# KiCad board backplane.kicad_pcb (continued)
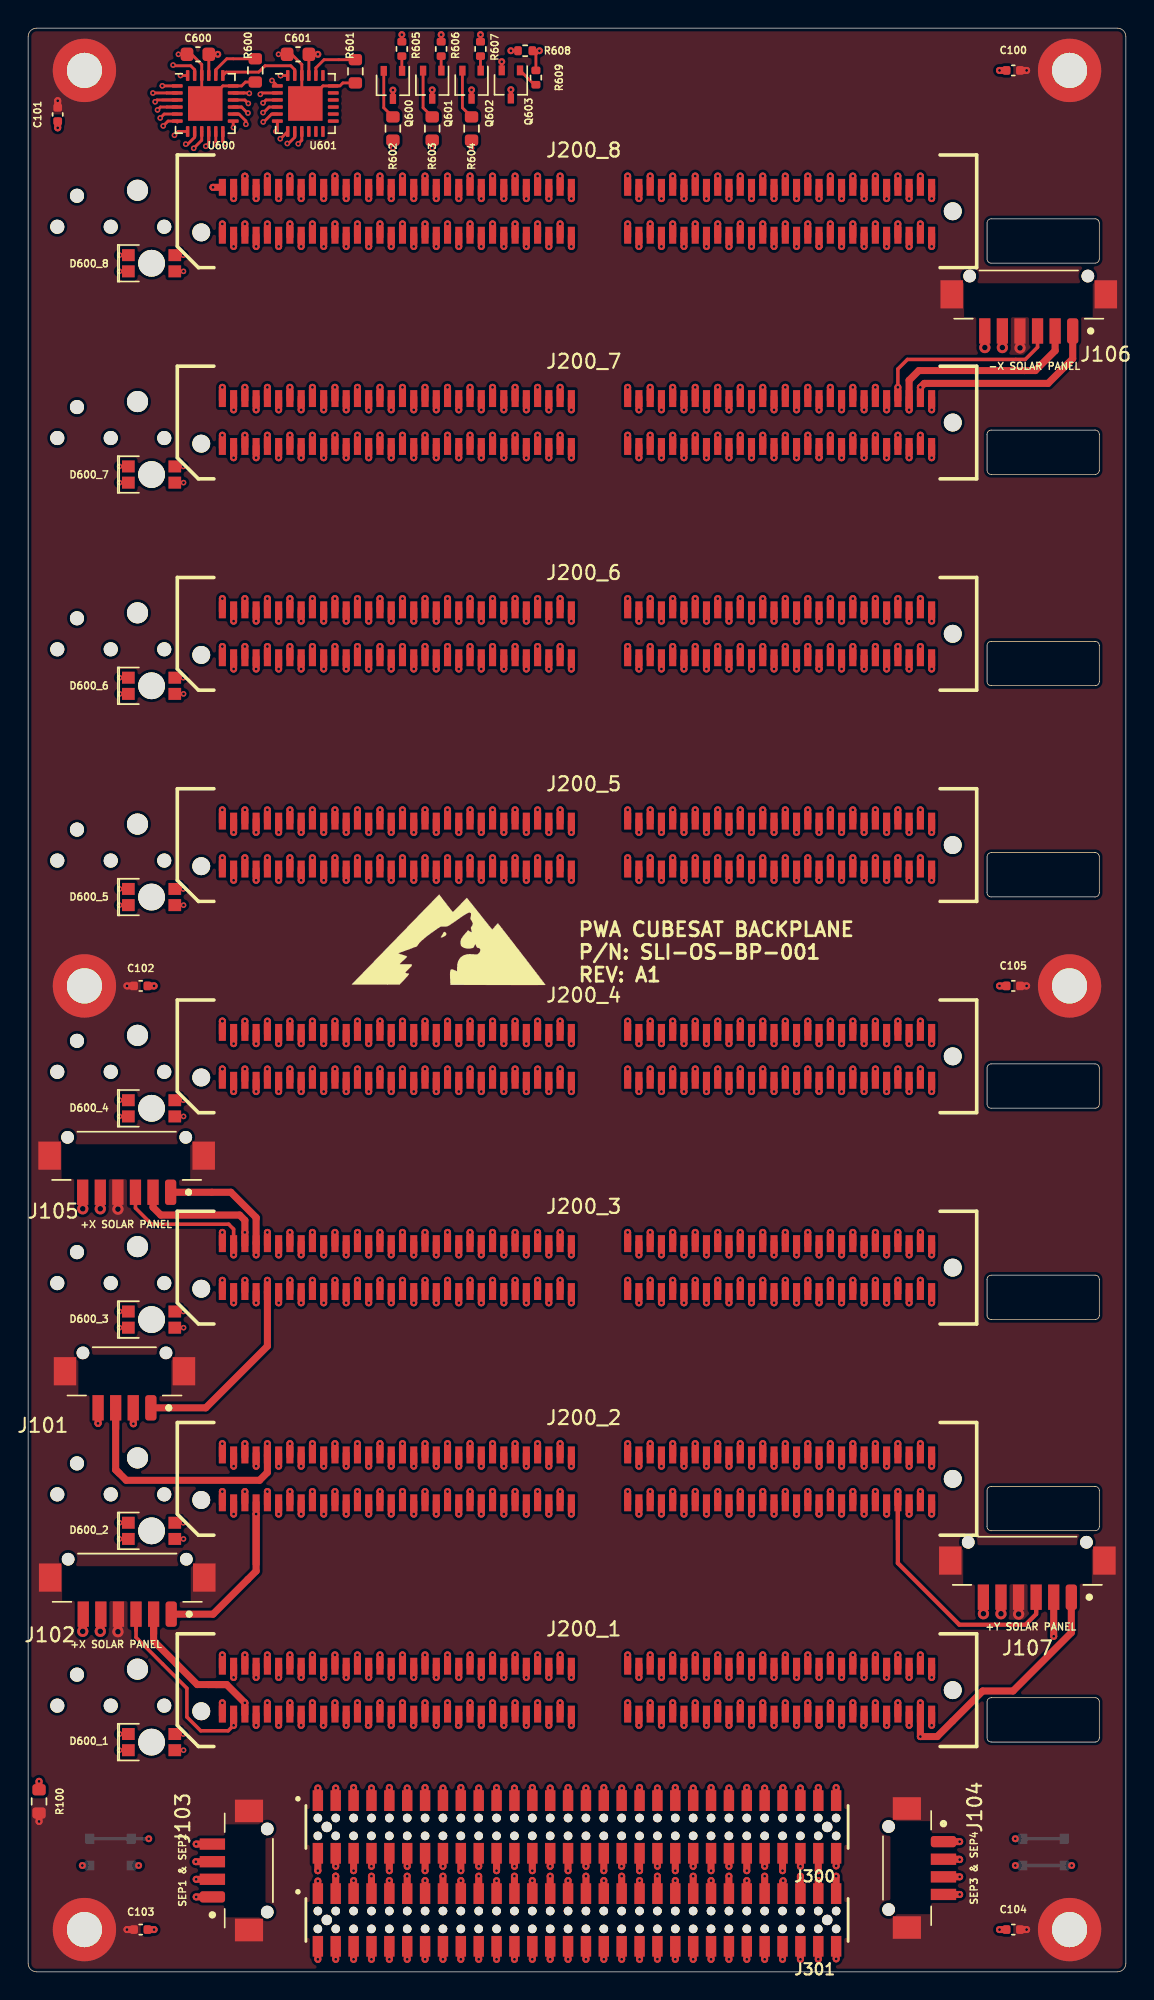
[diagram p0: board, top side]
## Nets (continued)
/H2-43: J200_1.95 J200_2.95 J200_3.95 J200_4.95 J200_5.95 J200_6.95 J200_7.95 J200_8.95 J301.47
/H2-44: J200_1.96 J200_2.96 J200_3.96 J200_4.96 J200_5.96 J200_6.96 J200_7.96 J200_8.96 J301.48
/H2-45: J200_1.99 J200_2.99 J200_3.99 J200_4.99 J200_5.99 J200_6.99 J200_7.99 J200_8.99 J301.49
/H2-46: J200_1.100 J200_2.100 J200_3.100 J200_4.100 J200_5.100 J200_6.100 J200_7.100 J200_8.100 J301.50
/H2-49: J200_1.107 J200_2.107 J200_3.107 J200_4.107 J200_5.107 J200_6.107 J200_7.107 J200_8.107 J301.53
/H2-50: J200_1.108 J200_2.108 J200_3.108 J200_4.108 J200_5.108 J200_6.108 J200_7.108 J200_8.108 J301.54
/H2-51: J200_1.111 J200_2.111 J200_3.111 J200_4.111 J200_5.111 J200_6.111 J200_7.111 J200_8.111 J301.55
/H2-52: J200_1.112 J200_2.112 J200_3.112 J200_4.112 J200_5.112 J200_6.112 J200_7.112 J200_8.112 J301.56
/LED Driver/B1: D600_1.3 U600.2
/LED Driver/B2: D600_2.3 U600.5
/LED Driver/B3: D600_3.3 U600.8
/LED Driver/B4: D600_4.3 U600.11
/LED Driver/B5: D600_5.3 U600.14
/LED Driver/B6: D600_6.3 U600.17
/LED Driver/B7: D600_7.3 U601.4
/LED Driver/B8: D600_8.3 U601.7
/LED Driver/G1: D600_1.2 U600.3
/LED Driver/G2: D600_2.2 U600.6
/LED Driver/G3: D600_3.2 U600.9
/LED Driver/G4: D600_4.2 U600.12
/LED Driver/G5: D600_5.2 U600.15
/LED Driver/G6: D600_6.2 U601.2
/LED Driver/G7: D600_7.2 U601.5
/LED Driver/G8: D600_8.2 U601.8
/LED Driver/LATCH_LED: Q602.3 U600.1 U601.1
/LED Driver/R1: D600_1.1 U600.4
/LED Driver/R2: D600_2.1 U600.7
/LED Driver/R3: D600_3.1 U600.10
/LED Driver/R4: D600_4.1 U600.13
/LED Driver/R5: D600_5.1 U600.16
/LED Driver/R6: D600_6.1 U601.3
/LED Driver/R7: D600_7.1 U601.6
/LED Driver/R8: D600_8.1 U601.9
/LED Driver/SCLK_LED: Q600.3 U600.24 U601.24
/LED Driver/SIN_LED: Q601.3 U600.23
/LED Driver/SOUT_LED_1: U600.19 U601.23
/LED Driver/~{enable}: Q603.3 R605.1 R606.1 R607.1 R608.2
/RBF: J200_1.37 J200_2.37 J200_3.37 J200_4.37 J200_5.37 J200_6.37 J200_7.37 J200_8.37 J300.19
/SELF_TEST: J200_1.101 J200_2.101 J200_3.101 J200_4.101 J200_5.101 J200_6.101 J200_7.101 J200_8.101 J300.51 SW101.2
/SEP1: J103.1 J200_1.1 J200_2.1 J200_3.1 J200_4.1 J200_5.1 J200_6.1 J200_7.1 J200_8.1 J300.1
/SEP2: J103.3 J200_1.2 J200_2.2 J200_3.2 J200_4.2 J200_5.2 J200_6.2 J200_7.2 J200_8.2 J300.2
/SEP3: J104.1 J200_1.119 J200_2.119 J200_3.119 J200_4.119 J200_5.119 J200_6.119 J200_7.119 J200_8.119 J301.59
/SEP4: J104.3 J200_1.120 J200_2.120 J200_3.120 J200_4.120 J200_5.120 J200_6.120 J200_7.120 J200_8.120 J301.60
/USER_1: J200_1.102 J200_2.102 J200_3.102 J200_4.102 J200_5.102 J200_6.102 J200_7.102 J200_8.102 J300.52 R604.2
/USER_2: J200_1.105 J200_2.105 J200_3.105 J200_4.105 J200_5.105 J200_6.105 J200_7.105 J200_8.105 J300.53
/USER_3: J200_1.106 J200_2.106 J200_3.106 J200_4.106 J200_5.106 J200_6.106 J200_7.106 J200_8.106 J300.54
CHS: C100.2 C101.2 C102.2 C103.2 C104.2 C105.2 J101.5 J102.4 J102.7 J103.5 J104.5 J105.4 J105.7 J106.4 J106.7 J107.4 J107.7 MH100.1 MH101.1 MH102.1 MH103.1 MH104.1 MH105.1 R100.2
Net-(Q600-Pad1): Q600.1 R605.2
Net-(Q600-Pad2): Q600.2 R602.1
Net-(Q601-Pad1): Q601.1 R606.2
Net-(Q601-Pad2): Q601.2 R603.1
Net-(Q602-Pad1): Q602.1 R607.2
Net-(Q602-Pad2): Q602.2 R604.1
Net-(Q603-Pad1): Q603.1 R609.2
Net-(R600-Pad2): R600.2 U600.20
Net-(R601-Pad2): R601.2 U601.20
Net-(U601-Pad10): U601.10
Net-(U601-Pad11): U601.11
Net-(U601-Pad12): U601.12
Net-(U601-Pad13): U601.13
Net-(U601-Pad14): U601.14
Net-(U601-Pad15): U601.15
Net-(U601-Pad16): U601.16
Net-(U601-Pad17): U601.17
Net-(U601-Pad19): U601.19

## Via types
v1: diameter 0.5, hole 0.2, Top to Bottom, 1126 vias
v2: diameter 0.4, hole 0.2, Top to Bottom, 67 vias
v3: diameter 0.8, hole 0.4, Top to Bottom, 12 vias

## Routing (per net, layer and track width the routed paths; a pad name or vN(x,y) marks a point on that pad's centre or on a via; arc(x,y) is an arc through that point)
/5V_USB: length 145.8
  Top w0.2: 10.42,16.89 v2(11.02,16.89) ; 10.42,31.89 v2(11.02,31.89) ; 10.42,46.89 v2(11.02,46.89) ; 10.42,61.89 v2(11.02,61.89) ; 10.42,76.89 v2(11.02,76.89) ; 10.42,91.88 v2(11.02,91.88) ; 10.42,106.88 v2(11.02,106.88) ; 36.08,136.4 36.21,136.4 ; R609.1 36.08,136.14 v1(36.33,136.4) R608.1 ; 10.42,121.88 v2(11.02,121.88) ; U600.21 12.84,134.64 C600.1 v1(13.47,136.14) ; C601.1 v1(20.59,136.14)
  Top w0.203: C601.1 19.95,136.14 U601.21
  Top w0.5: v1(44.2,127.5) 44.2,126.6 ; v1(44.2,22.5) 44.2,21.6 ; v1(44.2,37.5) 44.2,36.6 ; v1(44.2,52.5) 44.2,51.6 ; v1(44.2,67.5) 44.2,66.6 ; v1(44.2,82.5) 44.2,81.6 ; v1(44.2,97.5) 44.2,96.6 ; v1(44.2,112.5) 44.2,111.6 ; J300.36 42.18,7.5 v1(42.17,7.49)
  In3.Cu w0.25: v1(44.2,22.5) 44.2,19.95 44.78,19.38 44.78,18.67 44.42,18.31 44.42,17.23 41.54,14.35 41.54,8.13 42.18,7.49
  In3.Cu w0.5: v1(44.2,127.5) 44.2,125.5 45,124.65 45,123.67 44.2,122.87 v1(44.2,112.5) 44.2,110.5 45,109.65 45,108.67 44.2,107.87 v1(44.2,97.5) 44.2,95.5 45,94.65 45,93.67 44.2,92.87 v1(44.2,82.5) 44.2,80.5 45,79.65 45,78.67 44.2,77.87 v1(44.2,67.5) 44.2,65.5 45,64.65 45,63.67 44.2,62.87 v1(44.2,52.5) 44.2,50.5 45,49.65 45,48.67 44.2,47.87 v1(44.2,37.5) 44.2,35.5 45,34.65 45,33.67 44.2,32.87 v1(44.2,22.5)
/AGND: length 130.7
  Top w0.5: v1(45,122.5) 45,123.4 ; v1(45,17.5) 45,18.4 ; v1(45,32.5) 45,33.4 ; v1(45,47.5) 45,48.4 ; v1(45,62.5) 45,63.4 ; v1(45,77.5) 45,78.4 ; v1(45,92.5) 45,93.4 ; v1(45,107.5) 45,108.4 ; J301.35 42.18,6.79
  In4.Cu w0.25: v1(42.17,6.79) 41.82,6.79 41.54,7.07 41.54,14.04 v1(45,17.5)
  In4.Cu w0.5: 45,122.5 45,112.1 44.2,111.3 44.2,110.28 45,109.48 v1(45,107.5) ; v1(45,17.5) 45,19.48 44.2,20.28 44.2,21.3 45,22.1 45,32.5 ; v1(45,32.5) 45,34.48 44.2,35.28 44.2,36.3 45,37.1 45,47.5 ; v1(45,47.5) 45,49.48 44.2,50.28 44.2,51.3 45,52.1 45,62.5 ; v1(45,62.5) 45,64.48 44.2,65.28 44.2,66.3 45,67.1 45,77.5 ; v1(45,77.5) 45,79.48 44.2,80.28 44.2,81.3 45,82.1 45,92.5 ; v1(45,92.5) 45,94.48 44.2,95.28 44.2,96.3 45,97.1 45,107.5
GND: length 735.1
  Top w0.2: R600.1 15.44,134.18 15.17,133.9 U600.18 13.83,133.9 U600.25 12.33,132.9 U600.22 12.33,135 ; R601.1 22.36,134.11 22.15,133.9 U601.18 20.95,133.9 U601.25 19.45,132.9 U601.22 ; Q603.2 v1(33.65,135.62) ; C601.2 v2(17.79,136.14) ; C600.2 v2(10.68,136.14)
  Top w0.203: U600.22 12.33,135.42 11.61,136.14 C600.2 ; U601.22 19.45,135.42 18.73,136.14 C601.2
  Top w0.25: 69.22,116.5 69.22,115.73
  Top w0.5: v1(57.8,122.5) 57.8,123.4 ; v1(57.8,125.9) 57.8,126.8 ; v1(45,125.9) 45,126.8 ; v1(43.4,125.9) 43.4,126.8 ; v1(43.4,122.5) 43.4,123.4 ; v1(69.02,135) C100.1 ; v1(69.02,70) C105.1 ; v1(69.02,3) C104.1 ; v1(8.95,70) 8.48,70 ; v1(8.95,3) 8.48,3 ; v1(45,20.9) 45,21.8 ; v1(45,35.9) 45,36.8 ; v1(45,50.9) 45,51.8 ; v1(45,65.9) 45,66.8 ; v1(45,80.9) 45,81.8 ; v1(45,95.9) 45,96.8 ; v1(45,110.9) 45,111.8 ; v1(57.8,17.5) 57.8,18.4 ; v1(57.8,32.5) 57.8,33.4 ; v1(57.8,47.5) 57.8,48.4 ; v1(57.8,62.5) 57.8,63.4 ; v1(57.8,77.5) 57.8,78.4 ; v1(57.8,92.5) 57.8,93.4 ; v1(57.8,107.5) 57.8,108.4 ; v1(57.8,20.9) 57.8,21.8 ; v1(57.8,35.9) 57.8,36.8 ; v1(57.8,50.9) 57.8,51.8 ; v1(57.8,65.9) 57.8,66.8 ; v1(57.8,80.9) 57.8,81.8 ; v1(57.8,95.9) 57.8,96.8 ; v1(57.8,110.9) 57.8,111.8 ; v1(43.4,20.9) 43.4,21.8 ; v1(43.4,35.9) 43.4,36.8 ; v1(43.4,50.9) 43.4,51.8 ; v1(43.4,65.9) 43.4,66.8 ; v1(43.4,80.9) 43.4,81.8 ; v1(43.4,95.9) 43.4,96.8 ; v1(43.4,110.9) 43.4,111.8 ; v1(43.4,17.5) 43.4,18.4 ; v1(43.4,32.5) 43.4,33.4 ; v1(43.4,47.5) 43.4,48.4 ; v1(43.4,62.5) 43.4,63.4 ; v1(43.4,77.5) 43.4,78.4 ; v1(43.4,92.5) 43.4,93.4 ; v1(43.4,107.5) 43.4,108.4 ; J301.33 v1(40.9,6.48) ; J301.36 v1(42.18,0.89) ; J301.52 v1(52.34,0.89) ; J301.51 52.34,6.79 ; J301.34 v1(40.9,0.89) ; J104.4 v1(66.19,5.5) ; J101.4 4.97,38.94 v1(4.96,38.94) ; v1(7.48,38.91) 7.47,38.92 J101.2 ; v3(3.88,54.18) 3.88,55.35 J105.6 ; v1(2.1,130.93) C101.1 ; v1(66.19,7.97) 66.17,8 J104.2 ; v3(5.12,54.18) J105.5 ; J103.4 v1(11.94,9.07) ; J103.2 v1(11.94,6.57) ; v1(0.77,13.53) R100.1
  Top w0.6: v3(3.88,24.18) 3.88,25.34 ; v3(67.88,25.43) 67.88,26.59 ; v3(5.12,24.18) 5.12,25.35 ; v3(69.12,25.43) J107.5 ; 67.97,116.5 67.98,116.5 v3(67.98,115.33) ; v3(69.22,115.33) 69.22,116.5
  In2.Cu w0.25: v1(43.4,20.9) 43.4,18.94 41,16.54 ; v1(57.8,20.9) 57.8,18.94 56.91,18.05 56.91,17.37 56.01,16.47 54.9,16.47 51.7,13.27 51.7,12.19 ; v1(52.34,0.89) 51.7,1.52 51.7,12.19 ; v1(42.18,0.89) 41.54,1.52 41.54,11.69 ; v1(40.9,0.89) 40.27,1.52 40.27,11.68 ; 41.54,11.69 41.54,14.48 42.68,15.62 ; 41.54,11.69 41.54,11.94 ; 40.27,11.68 40.27,12.7 ; 40.27,11.68 40.27,15.81 41,16.54 ; 51.7,12.19 51.7,12.99 ; 41.54,12.95 41.54,11.94 ; 41.54,11.94 41.54,12.99 ; 41,16.54 40.33,15.87 ; 42.68,15.62 44.42,17.36 44.42,18.12 45,18.7 v1(45,20.9) ; 42.68,15.62 41.99,14.93 ; 40.27,12.7 40.27,12.96 ; 40.27,12.7 40.27,12.99
  In2.Cu w0.5: 45,125.9 45,123.68 44.2,122.87 44.2,122.3 45,121.5 v1(45,110.9) ; 43.4,125.9 43.4,123.68 42.6,122.87 42.6,122.3 43.4,121.5 v1(43.4,110.9) ; 57.8,125.9 57.8,123.68 57,122.87 57,122.3 57.8,121.5 v1(57.8,110.9) ; v1(43.4,95.9) 43.4,106.5 42.6,107.3 42.6,107.87 43.4,108.68 43.4,110.9 ; v1(43.4,80.9) 43.4,91.5 42.6,92.3 42.6,92.87 43.4,93.68 43.4,95.9 ; v1(57.8,95.9) 57.8,106.5 57,107.3 57,107.87 57.8,108.68 57.8,110.9 ; v1(57.8,80.9) 57.8,91.5 57,92.3 57,92.87 57.8,93.68 57.8,95.9 ; v1(45,95.9) 45,106.5 44.2,107.3 44.2,107.87 45,108.68 45,110.9 ; v1(45,80.9) 45,91.5 44.2,92.3 44.2,92.87 45,93.68 45,95.9 ; v1(43.4,65.9) 43.4,76.5 42.6,77.3 42.6,77.87 43.4,78.68 43.4,80.9 ; v1(57.8,65.9) 57.8,76.5 57,77.3 57,77.87 57.8,78.68 57.8,80.9 ; v1(45,65.9) 45,76.5 44.2,77.3 44.2,77.87 45,78.68 45,80.9 ; v1(43.4,35.9) 43.4,46.5 42.6,47.3 42.6,47.87 43.4,48.68 43.4,50.9 ; 57.8,50.9 57.8,48.68 57,47.87 57,47.3 57.8,46.5 v1(57.8,35.9) ; v1(45,35.9) 45,46.5 44.2,47.3 44.2,47.87 45,48.68 45,50.9 ; v1(43.4,50.9) 43.4,61.5 42.6,62.3 42.6,62.87 43.4,63.68 43.4,65.9 ; v1(45,50.9) 45,61.5 44.2,62.3 44.2,62.87 45,63.68 45,65.9 ; v1(57.8,50.9) 57.8,61.5 57,62.3 57,62.87 57.8,63.68 57.8,65.9 ; v1(43.4,20.9) 43.4,31.5 42.6,32.3 42.6,32.87 43.4,33.68 43.4,35.9 ; v1(45,20.9) 45,31.5 44.2,32.3 44.2,32.87 45,33.68 45,35.9 ; 57.8,35.9 57.8,33.68 57,32.87 57,32.3 57.8,31.5 v1(57.8,20.9)
  In4.Cu w0.25: v1(52.33,6.79) 51.98,6.79 51.7,7.07 51.7,8.38 ; v1(40.9,6.48) 40.55,6.48 40.27,6.76 40.27,14.37 v1(43.4,17.5) ; 51.7,8.38 51.7,13.27 53.99,15.56 55.86,15.56 v1(57.8,17.5) ; 51.7,8.38 51.7,9.02
  In4.Cu w0.5: 57.8,122.5 57.8,112.1 57,111.3 57,110.28 57.8,109.48 v1(57.8,107.5) ; 43.4,122.5 43.4,112.1 42.6,111.3 42.6,110.28 43.4,109.48 v1(43.4,107.5) ; v1(43.4,17.5) 43.4,19.48 42.6,20.28 42.6,21.3 43.4,22.1 43.4,32.5 ; v1(43.4,32.5) 43.4,34.48 42.6,35.28 42.6,36.3 43.4,37.1 43.4,47.5 ; v1(43.4,47.5) 43.4,49.48 42.6,50.28 42.6,51.3 43.4,52.1 43.4,62.5 ; v1(43.4,62.5) 43.4,64.48 42.6,65.28 42.6,66.3 43.4,67.1 43.4,77.5 ; v1(43.4,77.5) 43.4,79.48 42.6,80.28 42.6,81.3 43.4,82.1 43.4,92.5 ; v1(43.4,92.5) 43.4,94.48 42.6,95.28 42.6,96.3 43.4,97.1 43.4,107.5 ; 57.8,32.5 57.8,22.1 57,21.3 57,20.28 57.8,19.48 v1(57.8,17.5) ; 57.8,47.5 57.8,37.1 57,36.3 57,35.28 57.8,34.48 v1(57.8,32.5) ; 57.8,62.5 57.8,52.1 57,51.3 57,50.28 57.8,49.48 v1(57.8,47.5) ; 57.8,77.5 57.8,67.1 57,66.3 57,65.28 57.8,64.48 v1(57.8,62.5) ; 57.8,92.5 57.8,82.1 57,81.3 57,80.28 57.8,79.48 v1(57.8,77.5) ; 57.8,107.5 57.8,97.1 57,96.3 57,95.28 57.8,94.48 v1(57.8,92.5)
  Bottom w0.25: SW101.1 SW101.1
  Bottom w0.5: v1(74.15,7.55) SW101.1 ; v1(70.15,7.55) SW101.1 ; v1(7.85,7.55) SW100.1 ; v1(3.85,7.55) SW100.1
/+X_SOLAR_PWR: length 149
  Top w0.5: v1(16.2,125.9) 16.2,126.8 ; v1(16.2,20.9) 16.2,21.8 ; v1(16.2,35.9) 16.2,36.8 ; v1(16.2,50.9) 16.2,51.8 ; v1(16.2,65.9) 16.2,66.8 ; v1(16.2,80.9) 16.2,81.8 ; v1(16.2,95.9) 16.2,96.8 ; v1(16.2,110.9) 16.2,111.8 ; J301.4 v1(21.85,0.89) ; 16.2,51.7 16.2,53.55 14.4,55.35 J105.1
  In2.Cu w0.25: v1(16.2,20.9) 16.2,18.94 16.77,18.36 16.77,17.67 19.57,14.88 19.57,2.82 21.5,0.89 v1(21.85,0.89)
  In2.Cu w0.5: 16.2,125.9 16.2,123.68 15.4,122.87 15.4,122.3 16.2,121.5 v1(16.2,110.9) ; 16.2,110.9 16.2,108.68 15.4,107.87 15.4,107.3 16.2,106.5 v1(16.2,95.9) ; 16.2,95.9 16.2,93.68 15.4,92.87 15.4,92.3 16.2,91.5 v1(16.2,80.9) ; 16.2,80.9 16.2,78.68 15.4,77.87 15.4,77.3 16.2,76.5 v1(16.2,65.9) ; v1(16.2,50.9) 16.2,61.5 15.4,62.3 15.4,62.87 16.2,63.68 16.2,65.9 ; v1(16.2,35.9) 16.2,46.5 15.4,47.3 15.4,47.87 16.2,48.68 16.2,50.9 ; 16.2,35.9 16.2,33.68 15.4,32.87 15.4,32.3 16.2,31.5 v1(16.2,20.9)
/+X_SOLAR_RTN: length 144.4
  Top w0.5: v1(15.4,37.5) 15.4,36.6 ; v1(15.4,52.5) 15.4,51.6 ; v1(15.4,67.5) 15.4,66.6 ; v1(15.4,82.5) 15.4,81.6 ; v1(15.4,97.5) 15.4,96.6 ; v1(15.4,112.5) 15.4,111.6 ; v1(15.4,22.5) 15.4,21.6 ; J300.4 v1(21.85,7.49) ; 15.4,52.51 15.4,53.36 15.03,53.73 9.43,53.73 8.88,54.28 J105.2 ; v1(15.4,127.49) 15.4,127.49 15.4,126.6
  In3.Cu w0.25: v1(21.85,7.49) 21.5,7.49 19.8,9.19 19.8,13.92 17.03,16.7 17.03,17.53 15.98,18.58 15.98,19.38 15.4,19.95 v1(15.4,22.5)
  In3.Cu w0.5: v1(15.4,22.5) 15.4,32.87 16.2,33.67 16.2,34.65 15.4,35.5 v1(15.4,37.5) 15.4,47.87 16.2,48.67 16.2,49.65 15.4,50.5 v1(15.4,52.5) 15.4,62.87 16.2,63.67 16.2,64.65 15.4,65.5 v1(15.4,67.5) 15.4,77.87 16.2,78.67 16.2,79.65 15.4,80.5 v1(15.4,82.5) 15.4,92.87 16.2,93.67 16.2,94.65 15.4,95.5 v1(15.4,97.5) 15.4,107.87 16.2,108.67 16.2,109.65 15.4,110.5 v1(15.4,112.5) 15.4,122.87 16.2,123.67 16.2,124.65 15.4,125.45 v1(15.4,127.49)
/+X_SOLAR_TLE: length 150.8
  Top w0.25: v1(14.6,50.9) 14.6,52.73 14.25,53.08 8.78,53.08 7.63,54.23 J105.3
  Top w0.5: v1(14.6,125.9) 14.6,126.8 ; v1(14.6,20.9) 14.6,21.8 ; v1(14.6,35.9) 14.6,36.8 ; v1(14.6,50.9) 14.6,51.8 ; v1(14.6,65.9) 14.6,66.8 ; v1(14.6,80.9) 14.6,81.8 ; v1(14.6,95.9) 14.6,96.8 ; v1(14.6,110.9) 14.6,111.8 ; J301.2 v1(20.59,0.89)
  In2.Cu w0.25: v1(20.59,0.89) 19.06,2.41 19.06,13.78 15.51,17.34 15.51,18.03 14.6,18.94 v1(14.6,20.9)
  In2.Cu w0.5: 14.6,125.9 14.6,123.68 13.8,122.87 13.8,122.3 14.6,121.5 v1(14.6,110.9) ; 14.6,110.9 14.6,108.68 13.8,107.87 13.8,107.3 14.6,106.5 v1(14.6,95.9) ; 14.6,95.9 14.6,93.68 13.8,92.87 13.8,92.3 14.6,91.5 v1(14.6,80.9) ; 14.6,80.9 14.6,78.68 13.8,77.87 13.8,77.3 14.6,76.5 v1(14.6,65.9) ; v1(14.6,50.9) 14.6,61.5 13.8,62.3 13.8,62.87 14.6,63.68 14.6,65.9 ; v1(14.6,35.9) 14.6,46.5 13.8,47.3 13.8,47.87 14.6,48.68 14.6,50.9 ; 14.6,35.9 14.6,33.68 13.8,32.87 13.8,32.3 14.6,31.5 v1(14.6,20.9)
/+Y_SOLAR_PWR: length 143.1
  Top w0.5: v1(63.4,124.1) 63.4,123.2 ; v1(63.4,19.1) 63.4,18.2 ; v1(63.4,34.1) 63.4,33.2 ; v1(63.4,49.1) 63.4,48.2 ; v1(63.4,64.1) 63.4,63.2 ; v1(63.4,79.1) 63.4,78.2 ; v1(63.4,94.1) 63.4,93.2 ; v1(63.4,109.1) 63.4,108.2 ; J300.59 v1(57.41,13.08) ; J200_1.117 v1(63.4,16.7) 64.59,16.7 67.83,19.94 69.99,19.94 74.12,24.08 J107.1
  In1.Cu w0.25: v1(57.41,13.08) 58.43,13.08 62.05,16.7 v1(63.4,16.7)
  In1.Cu w0.5: v1(63.4,124.1) 63.4,122.3 64.2,121.5 64.2,112.1 63.4,111.3 v1(63.4,109.1) 63.4,107.3 64.2,106.5 64.2,97.1 63.4,96.3 v1(63.4,94.1) 63.4,92.3 64.2,91.5 64.2,82.1 63.4,81.3 v1(63.4,79.1) 63.4,77.3 64.2,76.5 64.2,67.1 63.4,66.3 v1(63.4,64.1) 63.4,62.3 64.2,61.5 64.2,52.1 63.4,51.3 v1(63.4,49.1) 63.4,47.3 64.2,46.5 64.2,37.1 63.4,36.3 v1(63.4,34.1) 63.4,32.3 64.2,31.5 64.2,22.1 63.4,21.3 v1(63.4,19.1)
/+Y_SOLAR_RTN: length 151.5
  Top w0.5: v1(62.6,122.5) 62.6,123.4 ; v1(62.6,17.5) 62.6,18.4 ; v1(62.6,32.5) 62.6,33.4 ; v1(62.6,47.5) 62.6,48.4 ; v1(62.6,62.5) 62.6,63.4 ; v1(62.6,77.5) 62.6,78.4 ; v1(62.6,92.5) 62.6,93.4 ; v1(62.6,107.5) 62.6,108.4 ; J301.57 v1(56.15,6.48) ; J107.2 v1(72.88,23.83)
  In1.Cu w0.5: v1(62.6,17.5) 63.49,18.4 65.71,18.4 71.14,23.83 v1(72.88,23.83)
  In4.Cu w0.25: 55.79,6.48 55.51,6.76 55.51,7.49 ; 55.79,6.48 v1(56.15,6.48) ; 55.79,6.48 55.51,6.76 55.51,10.92 ; v1(62.6,17.5) 61.82,17.5 59.95,15.63 ; 55.51,10.92 55.51,11.2 ; 55.51,10.92 55.51,13.3 56.05,13.84 58.16,13.84 59.95,15.63 ; 59.57,15.25 59.95,15.63
  In4.Cu w0.5: 62.6,122.5 62.6,112.1 61.8,111.3 61.8,110.28 62.6,109.48 v1(62.6,107.5) ; v1(62.6,17.5) 62.6,19.48 61.8,20.28 61.8,21.3 62.6,22.1 62.6,32.5 ; v1(62.6,32.5) 62.6,34.48 61.8,35.28 61.8,36.3 62.6,37.1 62.6,47.5 ; v1(62.6,47.5) 62.6,49.48 61.8,50.28 61.8,51.3 62.6,52.1 62.6,62.5 ; v1(62.6,62.5) 62.6,64.48 61.8,65.28 61.8,66.3 62.6,67.1 62.6,77.5 ; v1(62.6,77.5) 62.6,79.48 61.8,80.28 61.8,81.3 62.6,82.1 62.6,92.5 ; v1(62.6,92.5) 62.6,94.48 61.8,95.28 61.8,96.3 62.6,97.1 62.6,107.5
/+Y_SOLAR_TLE: length 149.1
  Top w0.25: J107.3 71.62,25.45
  Top w0.3: 71.62,25.53 J107.3 71.62,25.4 70.87,24.65 66.17,24.65 61.8,29.02 J200_2.113 61.8,30.7
  Top w0.5: v1(61.8,124.1) 61.8,123.2 ; v1(61.8,19.1) 61.8,18.2 ; v1(61.8,34.1) 61.8,33.2 ; v1(61.8,49.1) 61.8,48.2 ; v1(61.8,64.1) 61.8,63.2 ; v1(61.8,79.1) 61.8,78.2 ; v1(61.8,94.1) 61.8,93.2 ; v1(61.8,109.1) 61.8,108.2 ; J300.57 v1(56.15,13.08)
  In1.Cu w0.25: v1(56.15,13.08) 58.17,15.1 59.46,15.1 61.8,17.45 v1(61.8,19.1)
  In1.Cu w0.5: v1(61.8,124.1) 61.8,122.3 62.6,121.5 62.6,112.1 61.8,111.3 v1(61.8,109.1) 61.8,107.3 62.6,106.5 62.6,97.1 61.8,96.3 v1(61.8,94.1) 61.8,92.3 62.6,91.5 62.6,82.1 61.8,81.3 v1(61.8,79.1) 61.8,77.3 62.6,76.5 62.6,67.1 61.8,66.3 v1(61.8,64.1) 61.8,62.3 62.6,61.5 62.6,52.1 61.8,51.3 v1(61.8,49.1) 61.8,47.3 62.6,46.5 62.6,37.1 61.8,36.3 v1(61.8,34.1) 61.8,32.3 62.6,31.5 62.6,22.1 61.8,21.3 v1(61.8,19.1)
/-X_SOLAR_PWR: length 150.5
  Top w0.5: v1(63.4,127.5) 63.4,126.6 ; v1(63.4,22.5) 63.4,21.6 ; v1(63.4,37.5) 63.4,36.6 ; v1(63.4,52.5) 63.4,51.6 ; v1(63.4,67.5) 63.4,66.6 ; v1(63.4,82.5) 63.4,81.6 ; v1(63.4,97.5) 63.4,96.6 ; 63.4,111.6 v1(63.4,112.5) 63.68,112.78 72.47,112.78 74.22,114.53 74.22,116.5 ; J300.60 v1(57.41,7.53)
  In3.Cu w0.25: v1(57.41,7.53) 57.41,7.88 58.65,9.11 58.65,12.16 62.43,15.94 63.49,15.94 64.78,17.22 64.78,18.58 63.4,19.95 v1(63.4,22.5)
  In3.Cu w0.5: v1(63.4,127.5) 63.4,125.5 64.2,124.65 64.2,123.67 63.4,122.87 v1(63.4,112.5) 63.4,110.5 64.2,109.65 64.2,108.67 63.4,107.87 v1(63.4,97.5) 63.4,95.5 64.2,94.65 64.2,93.67 63.4,92.87 v1(63.4,82.5) 63.4,80.5 64.2,79.65 64.2,78.67 63.4,77.87 v1(63.4,67.5) 63.4,65.5 64.2,64.65 64.2,63.67 63.4,62.87 v1(63.4,52.5) 63.4,50.5 64.2,49.65 64.2,48.67 63.4,47.87 v1(63.4,37.5) 63.4,35.5 64.2,34.65 64.2,33.67 63.4,32.87 v1(63.4,22.5)
/-X_SOLAR_RTN: length 157.6
  Top w0.5: v1(62.6,125.9) 62.6,126.8 ; v1(62.6,20.9) 62.6,21.8 ; v1(62.6,35.9) 62.6,36.8 ; v1(62.6,50.9) 62.6,51.8 ; v1(62.6,65.9) 62.6,66.8 ; v1(62.6,80.9) 62.6,81.8 ; v1(62.6,95.9) 62.6,96.8 ; 62.6,111.8 v1(62.6,110.9) 62.6,113 63.29,113.69 71.56,113.69 72.97,115.1 72.97,116.5 ; J301.58 v1(56.15,0.89)
  In2.Cu w0.25: v1(62.6,20.9) 62.6,18.94 62.02,18.36 62.02,17.43 58.94,14.35 56.56,14.35 55.51,13.3 55.51,12.44 ; v1(56.15,0.89) 55.51,1.52 55.51,12.44 ; 55.51,12.44 55.51,12.99
  In2.Cu w0.5: 62.6,125.9 62.6,123.68 61.8,122.87 61.8,122.3 62.6,121.5 v1(62.6,110.9) ; v1(62.6,95.9) 62.6,106.5 61.8,107.3 61.8,107.87 62.6,108.68 62.6,110.9 ; v1(62.6,80.9) 62.6,91.5 61.8,92.3 61.8,92.87 62.6,93.68 62.6,95.9 ; v1(62.6,35.9) 62.6,46.5 61.8,47.3 61.8,47.87 62.6,48.68 62.6,50.9 ; v1(62.6,65.9) 62.6,76.5 61.8,77.3 61.8,77.87 62.6,78.68 62.6,80.9 ; v1(62.6,50.9) 62.6,61.5 61.8,62.3 61.8,62.87 62.6,63.68 62.6,65.9 ; v1(62.6,20.9) 62.6,31.5 61.8,32.3 61.8,32.87 62.6,33.68 62.6,35.9
/-X_SOLAR_TLE: length 151.2
  Top w0.25: v1(61.8,112.5) 61.8,113.8 62.48,114.48 70.86,114.48 71.72,115.35 71.72,116.5
  Top w0.5: v1(61.8,127.5) 61.8,126.6 ; v1(61.8,22.5) 61.8,21.6 ; v1(61.8,37.5) 61.8,36.6 ; v1(61.8,52.5) 61.8,51.6 ; v1(61.8,67.5) 61.8,66.6 ; v1(61.8,82.5) 61.8,81.6 ; v1(61.8,97.5) 61.8,96.6 ; v1(61.8,112.5) 61.8,111.6 ; J300.58 v1(56.15,7.18)
  In3.Cu w0.25: v1(61.8,22.5) 61.8,19.95 62.38,19.38 62.38,18.62 62.02,18.26 62.02,17.17 59.28,14.43 56.64,14.43 55.51,13.3 55.51,7.81 v1(56.15,7.18)
  In3.Cu w0.5: v1(61.8,127.5) 61.8,125.5 62.6,124.65 62.6,123.67 61.8,122.87 v1(61.8,112.5) 61.8,110.5 62.6,109.65 62.6,108.67 61.8,107.87 v1(61.8,97.5) 61.8,95.5 62.6,94.65 62.6,93.67 61.8,92.87 v1(61.8,82.5) 61.8,80.5 62.6,79.65 62.6,78.67 61.8,77.87 v1(61.8,67.5) 61.8,65.5 62.6,64.65 62.6,63.67 61.8,62.87 v1(61.8,52.5) 61.8,50.5 62.6,49.65 62.6,48.67 61.8,47.87 v1(61.8,37.5) 61.8,35.5 62.6,34.65 62.6,33.67 61.8,32.87 v1(61.8,22.5)
/-Z_SOLAR_PWR: length 145.9
  Top w0.5: v1(16.2,17.5) 16.2,18.3 ; v1(16.2,32.5) 16.2,33.3 ; v1(16.2,32.5) 16.2,28.95 ; v1(16.2,32.5) 16.2,28.45 13.14,25.4 J102.1 ; v1(16.2,47.5) 16.2,48.3 ; v1(16.2,62.5) 16.2,63.3 ; v1(16.2,77.5) 16.2,78.3 ; v1(16.2,92.5) 16.2,93.3 ; v1(16.2,107.5) 16.2,108.3 ; v1(21.85,6.79) 21.85,6.79 J301.3 ; v1(16.2,122.5) 16.2,123.3
  In4.Cu w0.25: v1(16.2,17.5) 16.98,17.5 19.67,14.81 19.67,9.29 21.16,7.8 21.16,7.13 21.5,6.79 v1(21.85,6.79)
  In4.Cu w0.5: 16.2,122.5 16.2,112.1 15.4,111.3 15.4,110.28 16.2,109.48 v1(16.2,107.5) ; 16.2,32.5 16.2,22.1 15.4,21.3 15.4,20.28 16.2,19.48 v1(16.2,17.5) ; 16.2,47.5 16.2,37.1 15.4,36.3 15.4,35.28 16.2,34.48 v1(16.2,32.5) ; 16.2,62.5 16.2,52.1 15.4,51.3 15.4,50.28 16.2,49.48 v1(16.2,47.5) ; 16.2,77.5 16.2,67.1 15.4,66.3 15.4,65.28 16.2,64.48 v1(16.2,62.5) ; 16.2,92.5 16.2,82.1 15.4,81.3 15.4,80.28 16.2,79.48 v1(16.2,77.5) ; 16.2,107.5 16.2,97.1 15.4,96.3 15.4,95.28 16.2,94.48 v1(16.2,92.5)
/-Z_SOLAR_RTN: length 140.5
  Top w0.5: v1(15.4,64.1) J200_4.5 ; v1(15.4,79.1) J200_5.5 ; J200_1.5 v1(15.4,19.1) 14.1,20.4 12.8,20.4 ; v1(15.4,34.1) J200_2.5 ; v1(15.4,49.1) J200_3.5 ; v1(15.4,94.1) J200_6.5 ; v1(15.4,109.1) J200_7.5 ; J300.3 v1(21.85,13.05) ; 13.37,20.4 13.94,20.4 ; 13.37,20.4 12.8,20.4 ; 13.37,20.4 14.04,20.4 ; 12.8,20.4 12.02,20.4 8.92,23.5 J102.2 8.92,24 ; v1(15.4,124.1) J200_8.5
  In1.Cu w0.25: v1(15.4,19.1) 15.4,17 18.77,13.63 21.28,13.63 v1(21.85,13.05)
  In1.Cu w0.5: v1(15.4,124.1) 15.4,122.3 16.2,121.5 16.2,112.1 15.4,111.3 v1(15.4,109.1) 15.4,107.3 16.2,106.5 16.2,97.1 15.4,96.3 v1(15.4,94.1) 15.4,92.3 16.2,91.5 16.2,82.1 15.4,81.3 v1(15.4,79.1) 15.4,77.3 16.2,76.5 16.2,67.1 15.4,66.3 v1(15.4,64.1) 15.4,62.3 16.2,61.5 16.2,52.1 15.4,51.3 v1(15.4,49.1) 15.4,47.3 16.2,46.5 16.2,37.1 15.4,36.3 v1(15.4,34.1) 15.4,32.3 16.2,31.5 16.2,22.1 15.4,21.3 v1(15.4,19.1)
/-Z_SOLAR_TLE: length 145.3
  Top w0.25: v1(14.6,17.5) 14.21,17.12 12.26,17.12 11.28,18.1 11.28,20.13 7.67,23.75 J102.3 7.67,24.25
  Top w0.5: v1(14.6,122.5) 14.6,123.4 ; v1(14.6,17.5) 14.6,18.4 ; v1(14.6,32.5) 14.6,33.4 ; v1(14.6,47.5) 14.6,48.4 ; v1(14.6,62.5) 14.6,63.4 ; v1(14.6,77.5) 14.6,78.4 ; v1(14.6,92.5) 14.6,93.4 ; v1(14.6,107.5) 14.6,108.4 ; J301.1 v1(20.59,6.44)
  In4.Cu w0.25: v1(20.59,6.44) 20.23,6.44 19.22,7.46 19.22,12.88 v1(14.6,17.5)
  In4.Cu w0.5: 14.6,122.5 14.6,112.1 13.8,111.3 13.8,110.28 14.6,109.48 v1(14.6,107.5) ; 14.6,32.5 14.6,22.1 13.8,21.3 13.8,20.28 14.6,19.48 v1(14.6,17.5) ; 14.6,47.5 14.6,37.1 13.8,36.3 13.8,35.28 14.6,34.48 v1(14.6,32.5) ; 14.6,62.5 14.6,52.1 13.8,51.3 13.8,50.28 14.6,49.48 v1(14.6,47.5) ; 14.6,77.5 14.6,67.1 13.8,66.3 13.8,65.28 14.6,64.48 v1(14.6,62.5) ; 14.6,92.5 14.6,82.1 13.8,81.3 13.8,80.28 14.6,79.48 v1(14.6,77.5) ; 14.6,107.5 14.6,97.1 13.8,96.3 13.8,95.28 14.6,94.48 v1(14.6,92.5)
/BUS_RESET: length 162.5
  Top w0.5: v1(42.6,124.1) 42.6,123.2 ; v1(42.6,19.1) 42.6,18.2 ; v1(42.6,34.1) 42.6,33.2 ; v1(42.6,49.1) 42.6,48.2 ; v1(42.6,64.1) 42.6,63.2 ; v1(42.6,79.1) 42.6,78.2 ; v1(42.6,94.1) 42.6,93.2 ; v1(42.6,109.1) 42.6,108.2 ; J300.33 v1(40.9,13.08)
  In1.Cu w0.25: v1(42.6,19.1) 42.6,14.78 v1(40.9,13.08) 40.14,12.32 11.44,12.32 v1(8.57,9.45)
  In1.Cu w0.5: v1(42.6,124.1) 42.6,122.3 43.4,121.5 43.4,112.1 42.6,111.3 v1(42.6,109.1) 42.6,107.3 43.4,106.5 43.4,97.1 42.6,96.3 v1(42.6,94.1) 42.6,92.3 43.4,91.5 43.4,82.1 42.6,81.3 v1(42.6,79.1) 42.6,77.3 43.4,76.5 43.4,67.1 42.6,66.3 v1(42.6,64.1) 42.6,62.3 43.4,61.5 43.4,52.1 42.6,51.3 v1(42.6,49.1) 42.6,47.3 43.4,46.5 43.4,37.1 42.6,36.3 v1(42.6,34.1) 42.6,32.3 43.4,31.5 43.4,22.1 42.6,21.3 v1(42.6,19.1)
  Bottom w0.25: 4.38,9.45 v1(8.57,9.45)
/H1-1: length 141.3
  Top w0.5: v1(17,124.1) 17,123.2 ; v1(17,19.1) 17,18.2 ; v1(17,34.1) 17,33.2 ; v1(17,49.1) 17,48.2 ; v1(17,64.1) 17,63.2 ; v1(17,79.1) 17,78.2 ; v1(17,94.1) 17,93.2 ; v1(17,109.1) 17,108.2 ; J300.5 v1(23.13,13.08) ; J200_3.9 17,44.42 12.62,40.04 J101.1
  In1.Cu w0.25: v1(23.13,13.08) 22.13,14.08 20.36,14.08 17,17.45 v1(17,19.1)
  In1.Cu w0.5: v1(17,124.1) 17,122.3 17.8,121.5 17.8,112.1 17,111.3 v1(17,109.1) 17,107.3 17.8,106.5 17.8,97.1 17,96.3 v1(17,94.1) 17,92.3 17.8,91.5 17.8,82.1 17,81.3 v1(17,79.1) 17,77.3 17.8,76.5 17.8,67.1 17,66.3 v1(17,64.1) 17,62.3 17.8,61.5 17.8,52.1 17,51.3 v1(17,49.1) 17,47.3 17.8,46.5 17.8,37.1 17,36.3 v1(17,34.1) 17,32.3 17.8,31.5 17.8,22.1 17,21.3 v1(17,19.1)
/H1-2: length 156.1
  Top w0.5: v1(17,127.5) 17,126.6 ; v1(17,22.5) 17,21.6 ; v1(17,37.5) 17,36.6 ; v1(17,52.5) 17,51.6 ; v1(17,67.5) 17,66.6 ; v1(17,82.5) 17,81.6 ; v1(17,97.5) 17,96.6 ; v1(17,112.5) 17,111.6 ; J300.6 v1(23.13,7.18) ; 6.22,35.65 6.97,34.9 16.44,34.9 17,35.45 J200_2.10 ; 6.22,35.65 J101.3 6.22,38.55 ; 6.22,35.65 6.48,35.39
  In3.Cu w0.25: v1(17,22.5) 17,19.95 17.58,19.38 17.58,18.82 18.38,18.02 18.38,17.51 22.49,13.4 22.49,11.68 ; 22.49,11.68 22.49,7.81 v1(23.13,7.18) ; 22.49,11.68 22.49,13.09
  In3.Cu w0.5: v1(17,127.5) 17,125.5 17.8,124.65 17.8,123.67 17,122.87 v1(17,112.5) 17,110.5 17.8,109.65 17.8,108.67 17,107.87 v1(17,97.5) 17,95.5 17.8,94.65 17.8,93.67 17,92.87 v1(17,82.5) 17,80.5 17.8,79.65 17.8,78.67 17,77.87 v1(17,67.5) 17,65.5 17.8,64.65 17.8,63.67 17,62.87 v1(17,52.5) 17,50.5 17.8,49.65 17.8,48.67 17,47.87 v1(17,37.5) 17,35.5 17.8,34.65 17.8,33.67 17,32.87 v1(17,22.5)
/H1-3: length 127
  Top w0.5: v1(18.6,124.1) 18.6,123.2 ; v1(18.6,19.1) 18.6,18.2 ; v1(18.6,34.1) 18.6,33.2 ; v1(18.6,49.1) 18.6,48.2 ; v1(18.6,64.1) 18.6,63.2 ; v1(18.6,79.1) 18.6,78.2 ; v1(18.6,94.1) 18.6,93.2 ; v1(18.6,109.1) 18.6,108.2 ; J300.7 v1(24.4,13.05)
  In1.Cu w0.25: v1(18.6,19.1) 18.6,17.45 21.51,14.53 22.91,14.53 v1(24.4,13.05)
  In1.Cu w0.5: v1(18.6,124.1) 18.6,122.3 19.4,121.5 19.4,112.1 18.6,111.3 v1(18.6,109.1) 18.6,107.3 19.4,106.5 19.4,97.1 18.6,96.3 v1(18.6,94.1) 18.6,92.3 19.4,91.5 19.4,82.1 18.6,81.3 v1(18.6,79.1) 18.6,77.3 19.4,76.5 19.4,67.1 18.6,66.3 v1(18.6,64.1) 18.6,62.3 19.4,61.5 19.4,52.1 18.6,51.3 v1(18.6,49.1) 18.6,47.3 19.4,46.5 19.4,37.1 18.6,36.3 v1(18.6,34.1) 18.6,32.3 19.4,31.5 19.4,22.1 18.6,21.3 v1(18.6,19.1)
/H1-4: length 136.4
  Top w0.5: v1(18.6,127.5) 18.6,126.6 ; v1(18.6,22.5) 18.6,21.6 ; v1(18.6,37.5) 18.6,36.6 ; v1(18.6,52.5) 18.6,51.6 ; v1(18.6,67.5) 18.6,66.6 ; v1(18.6,82.5) 18.6,81.6 ; v1(18.6,97.5) 18.6,96.6 ; v1(18.6,112.5) 18.6,111.6 ; J300.8 v1(24.4,7.49)
  In3.Cu w0.25: v1(18.6,22.5) 18.6,19.95 19.18,19.38 19.18,18.85 20.04,17.98 20.04,17.02 23.76,13.3 23.76,11.81 ; 23.7,13.08 23.76,13.03 23.76,11.81 ; 23.76,11.81 23.76,8.13 v1(24.4,7.49)
  In3.Cu w0.5: v1(18.6,127.5) 18.6,125.5 19.4,124.65 19.4,123.67 18.6,122.87 v1(18.6,112.5) 18.6,110.5 19.4,109.65 19.4,108.67 18.6,107.87 v1(18.6,97.5) 18.6,95.5 19.4,94.65 19.4,93.67 18.6,92.87 v1(18.6,82.5) 18.6,80.5 19.4,79.65 19.4,78.67 18.6,77.87 v1(18.6,67.5) 18.6,65.5 19.4,64.65 19.4,63.67 18.6,62.87 v1(18.6,52.5) 18.6,50.5 19.4,49.65 19.4,48.67 18.6,47.87 v1(18.6,37.5) 18.6,35.5 19.4,34.65 19.4,33.67 18.6,32.87 v1(18.6,22.5)
/H1-5: length 126.7
  Top w0.5: v1(20.2,124.1) 20.2,123.2 ; v1(20.2,19.1) 20.2,18.2 ; v1(20.2,34.1) 20.2,33.2 ; v1(20.2,49.1) 20.2,48.2 ; v1(20.2,64.1) 20.2,63.2 ; v1(20.2,79.1) 20.2,78.2 ; v1(20.2,94.1) 20.2,93.2 ; v1(20.2,109.1) 20.2,108.2 ; J300.9 v1(25.66,13.08)
  In1.Cu w0.25: v1(20.2,19.1) 20.2,17.42 22.51,15.11 23.63,15.11 v1(25.66,13.08)
  In1.Cu w0.5: v1(20.2,124.1) 20.2,122.3 21,121.5 21,112.1 20.2,111.3 v1(20.2,109.1) 20.2,107.3 21,106.5 21,97.1 20.2,96.3 v1(20.2,94.1) 20.2,92.3 21,91.5 21,82.1 20.2,81.3 v1(20.2,79.1) 20.2,77.3 21,76.5 21,67.1 20.2,66.3 v1(20.2,64.1) 20.2,62.3 21,61.5 21,52.1 20.2,51.3 v1(20.2,49.1) 20.2,47.3 21,46.5 21,37.1 20.2,36.3 v1(20.2,34.1) 20.2,32.3 21,31.5 21,22.1 20.2,21.3 v1(20.2,19.1)
/H1-6: length 137
  Top w0.5: v1(20.2,127.5) 20.2,126.6 ; v1(20.2,22.5) 20.2,21.6 ; v1(20.2,37.5) 20.2,36.6 ; v1(20.2,52.5) 20.2,51.6 ; v1(20.2,67.5) 20.2,66.6 ; v1(20.2,82.5) 20.2,81.6 ; v1(20.2,97.5) 20.2,96.6 ; v1(20.2,112.5) 20.2,111.6 ; J300.10 v1(25.66,7.18)
  In3.Cu w0.25: v1(20.2,22.5) 20.2,19.95 20.78,19.38 20.78,18.93 21.55,18.15 21.55,17.69 25.03,14.21 25.03,11.69 ; v1(25.66,7.18) 25.03,7.81 25.03,11.69 ; 25.03,11.69 25.03,13.09
  In3.Cu w0.5: v1(20.2,127.5) 20.2,125.5 21,124.65 21,123.67 20.2,122.87 v1(20.2,112.5) 20.2,110.5 21,109.65 21,108.67 20.2,107.87 v1(20.2,97.5) 20.2,95.5 21,94.65 21,93.67 20.2,92.87 v1(20.2,82.5) 20.2,80.5 21,79.65 21,78.67 20.2,77.87 v1(20.2,67.5) 20.2,65.5 21,64.65 21,63.67 20.2,62.87 v1(20.2,52.5) 20.2,50.5 21,49.65 21,48.67 20.2,47.87 v1(20.2,37.5) 20.2,35.5 21,34.65 21,33.67 20.2,32.87 v1(20.2,22.5)
/H1-7: length 126.6
  Top w0.5: v1(21.8,124.1) 21.8,123.2 ; v1(21.8,19.1) 21.8,18.2 ; v1(21.8,34.1) 21.8,33.2 ; v1(21.8,49.1) 21.8,48.2 ; v1(21.8,64.1) 21.8,63.2 ; v1(21.8,79.1) 21.8,78.2 ; v1(21.8,94.1) 21.8,93.2 ; v1(21.8,109.1) 21.8,108.2 ; J300.11 v1(26.93,13.05)
  In1.Cu w0.25: v1(26.93,13.05) 24.42,15.57 23.21,15.57 21.8,16.98 v1(21.8,19.1)
  In1.Cu w0.5: v1(21.8,124.1) 21.8,122.3 22.6,121.5 22.6,112.1 21.8,111.3 v1(21.8,109.1) 21.8,107.3 22.6,106.5 22.6,97.1 21.8,96.3 v1(21.8,94.1) 21.8,92.3 22.6,91.5 22.6,82.1 21.8,81.3 v1(21.8,79.1) 21.8,77.3 22.6,76.5 22.6,67.1 21.8,66.3 v1(21.8,64.1) 21.8,62.3 22.6,61.5 22.6,52.1 21.8,51.3 v1(21.8,49.1) 21.8,47.3 22.6,46.5 22.6,37.1 21.8,36.3 v1(21.8,34.1) 21.8,32.3 22.6,31.5 22.6,22.1 21.8,21.3 v1(21.8,19.1)
